# Altium PCB PCB.PcbDoc (part 10 of 10)
Units mm, origin at the board's own origin, x right, y up, seen from the top; angles counter-clockwise.
Board outline 25 x 25 mm, 10 copper layers (Top Layer, bu3, bu2, bu1, Core1, Core1b, bu1b, bu2b, bu3b, Bottom Layer), stack 1.2 mm thick; 43 components, 310 nets, 1945 pads, 12307 vias.
Unrouted connection lines stored in the file: 68.
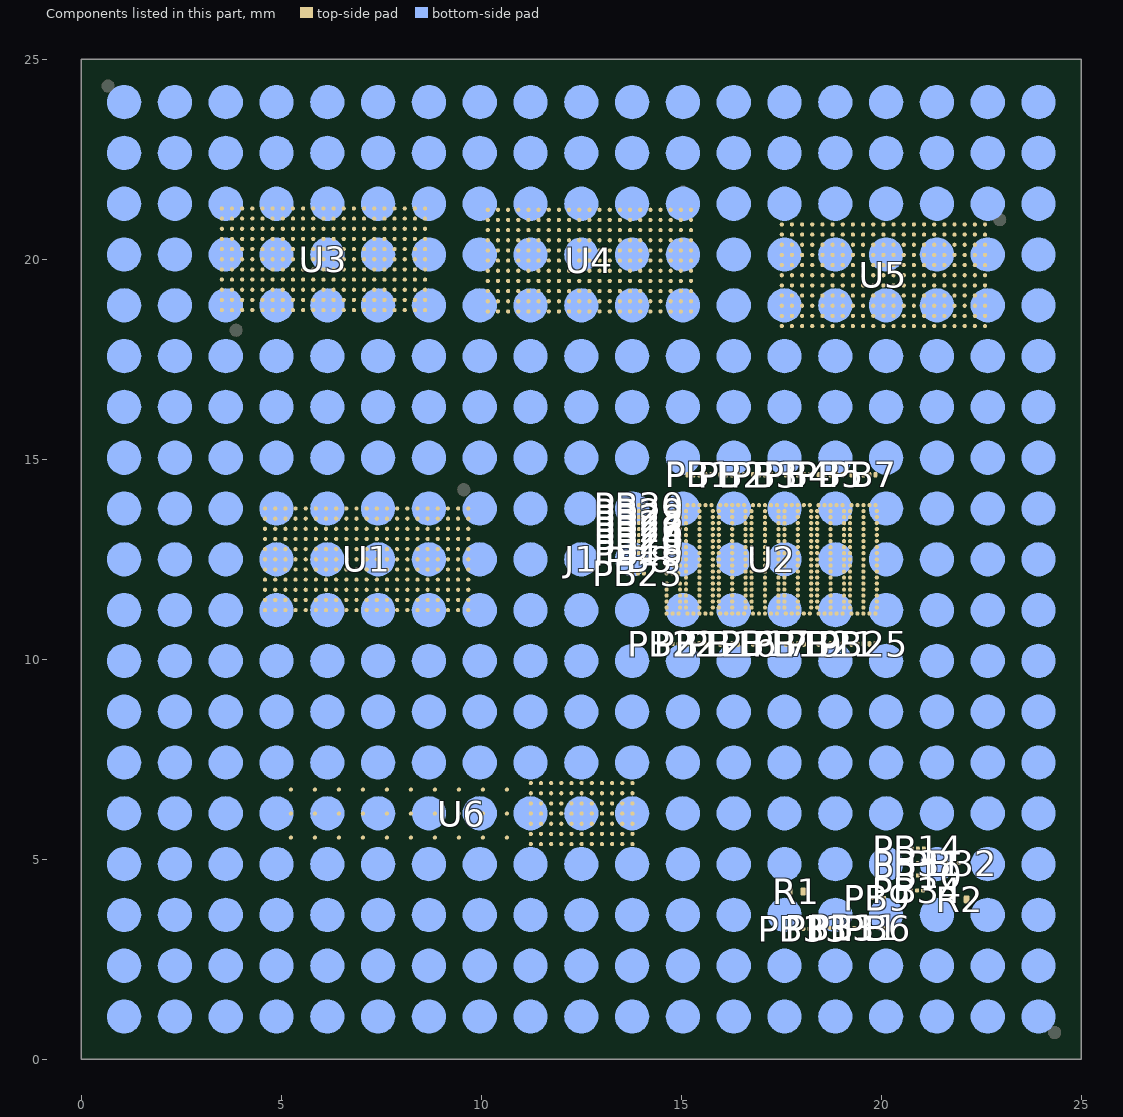
[diagram p18: the components of this part, seen from the top]

## Other copper (continued)
bu3:
  pour cut-out: 13.869,12.214 13.869,12.437 14.839,12.437 14.839,12.214
  pour cut-out: 11.345,13.58 11.345,13.73 11.495,13.73 11.495,13.58
  pour cut-out: 20.783,4.123 20.783,4.325 21.863,4.325 21.863,4.123
  pour cut-out: 20.799,4.495 20.799,4.697 21.879,4.697 21.879,4.495
  pour cut-out: 20.796,4.801 20.796,5.003 21.876,5.003 21.876,4.801
  pour cut-out: 20.798,5.169 20.798,5.371 21.878,5.371 21.878,5.169
  pour cut-out: 12.868,10.131 12.868,10.281 13.018,10.281 13.018,10.131
  pour cut-out: 22.438,24.224 22.438,24.374 22.588,24.374 22.588,24.224
  pour cut-out: 20.638,24.224 20.638,24.374 20.788,24.374 20.788,24.224
  pour cut-out: 21.238,24.224 21.238,24.374 21.388,24.374 21.388,24.224
  pour cut-out: 21.838,24.224 21.838,24.374 21.988,24.374 21.988,24.224
  pour cut-out: 3.238,24.224 3.238,24.374 3.388,24.374 3.388,24.224
  pour cut-out: 2.038,24.224 2.038,24.374 2.188,24.374 2.188,24.224
  pour cut-out: 2.638,24.224 2.638,24.374 2.788,24.374 2.788,24.224
  pour cut-out: 5.638,24.224 5.638,24.374 5.788,24.374 5.788,24.224
  pour cut-out: 3.838,24.224 3.838,24.374 3.988,24.374 3.988,24.224
  pour cut-out: 4.438,24.224 4.438,24.374 4.588,24.374 4.588,24.224
  pour cut-out: 5.038,24.224 5.038,24.374 5.188,24.374 5.188,24.224
  pour cut-out: 8.038,24.224 8.038,24.374 8.188,24.374 8.188,24.224
  pour cut-out: 6.238,24.224 6.238,24.374 6.388,24.374 6.388,24.224
  pour cut-out: 6.838,24.224 6.838,24.374 6.988,24.374 6.988,24.224
  pour cut-out: 7.438,24.224 7.438,24.374 7.588,24.374 7.588,24.224
  pour cut-out: 10.438,24.224 10.438,24.374 10.588,24.374 10.588,24.224
  pour cut-out: 8.638,24.224 8.638,24.374 8.788,24.374 8.788,24.224
  pour cut-out: 9.238,24.224 9.238,24.374 9.388,24.374 9.388,24.224
  pour cut-out: 9.838,24.224 9.838,24.374 9.988,24.374 9.988,24.224
  pour cut-out: 12.838,24.224 12.838,24.374 12.988,24.374 12.988,24.224
  pour cut-out: 11.038,24.224 11.038,24.374 11.188,24.374 11.188,24.224
  pour cut-out: 11.638,24.224 11.638,24.374 11.788,24.374 11.788,24.224
  pour cut-out: 12.238,24.224 12.238,24.374 12.388,24.374 12.388,24.224
  pour cut-out: 15.238,24.224 15.238,24.374 15.388,24.374 15.388,24.224
  pour cut-out: 13.438,24.224 13.438,24.374 13.588,24.374 13.588,24.224
  pour cut-out: 14.038,24.224 14.038,24.374 14.188,24.374 14.188,24.224
  pour cut-out: 14.638,24.224 14.638,24.374 14.788,24.374 14.788,24.224
  pour cut-out: 17.638,24.224 17.638,24.374 17.788,24.374 17.788,24.224
  pour cut-out: 15.838,24.224 15.838,24.374 15.988,24.374 15.988,24.224
  pour cut-out: 16.438,24.224 16.438,24.374 16.588,24.374 16.588,24.224
  pour cut-out: 17.038,24.224 17.038,24.374 17.188,24.374 17.188,24.224
  pour cut-out: 20.038,24.224 20.038,24.374 20.188,24.374 20.188,24.224
  pour cut-out: 18.238,24.224 18.238,24.374 18.388,24.374 18.388,24.224
  pour cut-out: 18.838,24.224 18.838,24.374 18.988,24.374 18.988,24.224
  pour cut-out: 19.438,24.224 19.438,24.374 19.588,24.374 19.588,24.224
  pour cut-out: 23.038,24.224 23.038,24.374 23.188,24.374 23.188,24.224
  pour cut-out: 23.638,24.224 23.638,24.374 23.788,24.374 23.788,24.224
  pour cut-out: 1.667,23.352 1.667,23.502 1.817,23.502 1.817,23.352
  pour cut-out: 0.838,23.624 0.838,23.774 0.988,23.774 0.988,23.624
  pour cut-out: 5.33,23.584 5.33,23.734 5.48,23.734 5.48,23.584
  pour cut-out: 6.235,23.389 6.235,23.539 6.385,23.539 6.385,23.389
  pour cut-out: 12.838,23.624 12.838,23.774 12.988,23.774 12.988,23.624
  pour cut-out: 13.438,23.624 13.438,23.774 13.588,23.774 13.588,23.624
  pour cut-out: 14.038,23.624 14.038,23.774 14.188,23.774 14.188,23.624
  pour cut-out: 14.638,23.624 14.638,23.774 14.788,23.774 14.788,23.624
  pour cut-out: 17.038,23.624 17.038,23.774 17.188,23.774 17.188,23.624
  pour cut-out: 18.238,23.624 18.238,23.774 18.388,23.774 18.388,23.624
  pour cut-out: 19.438,23.624 19.438,23.774 19.588,23.774 19.588,23.624
  pour cut-out: 20.638,23.624 20.638,23.774 20.788,23.774 20.788,23.624
  pour cut-out: 21.838,23.624 21.838,23.774 21.988,23.774 21.988,23.624
  pour cut-out: 23.638,23.624 23.638,23.774 23.788,23.774 23.788,23.624
  pour cut-out: 6.87,22.881 6.87,23.031 7.02,23.031 7.02,22.881
  pour cut-out: 22.847,23.125 22.847,23.275 22.997,23.275 22.997,23.125
  pour cut-out: 24.238,23.024 24.238,23.174 24.388,23.174 24.388,23.024
  pour cut-out: 12.238,23.024 12.238,23.174 12.388,23.174 12.388,23.024
  pour cut-out: 9.756,22.709 9.756,22.859 9.906,22.859 9.906,22.709
  pour cut-out: 11.543,22.851 11.543,23.001 11.693,23.001 11.693,22.851
  pour cut-out: 12.838,23.024 12.838,23.174 12.988,23.174 12.988,23.024
  pour cut-out: 13.438,23.024 13.438,23.174 13.588,23.174 13.588,23.024
  pour cut-out: 14.638,23.024 14.638,23.174 14.788,23.174 14.788,23.024
  pour cut-out: 15.238,23.024 15.238,23.174 15.388,23.174 15.388,23.024
  pour cut-out: 19.942,22.607 19.942,22.757 20.092,22.757 20.092,22.607
  pour cut-out: 20.624,22.732 20.624,22.882 20.774,22.882 20.774,22.732
  pour cut-out: 21.28,22.652 21.28,22.802 21.43,22.802 21.43,22.652
  pour cut-out: 0.838,22.424 0.838,22.574 0.988,22.574 0.988,22.424
  pour cut-out: 4.612,22.701 4.612,22.851 4.762,22.851 4.762,22.701
  pour cut-out: 3.483,22.619 3.483,22.769 3.633,22.769 3.633,22.619
  pour cut-out: 5.652,22.739 5.652,22.889 5.802,22.889 5.802,22.739
  pour cut-out: 3.267,23.375 3.267,23.525 3.417,23.525 3.417,23.375
  pour cut-out: 22.305,22.553 22.305,22.703 22.455,22.703 22.455,22.553
  pour cut-out: 23.638,22.424 23.638,22.574 23.788,22.574 23.788,22.424
  pour cut-out: 0.838,21.824 0.838,21.974 0.988,21.974 0.988,21.824
  pour cut-out: 15.238,21.824 15.238,21.974 15.388,21.974 15.388,21.824
  pour cut-out: 19.488,21.605 19.488,21.755 19.638,21.755 19.638,21.605
  pour cut-out: 17.688,21.605 17.688,21.755 17.838,21.755 17.838,21.605
  pour cut-out: 18.288,21.605 18.288,21.755 18.438,21.755 18.438,21.605
  pour cut-out: 18.888,21.605 18.888,21.755 19.038,21.755 19.038,21.605
  pour cut-out: 20.088,21.605 20.088,21.755 20.238,21.755 20.238,21.605
  pour cut-out: 20.688,21.605 20.688,21.755 20.838,21.755 20.838,21.605
  pour cut-out: 21.288,21.605 21.288,21.755 21.438,21.755 21.438,21.605
  pour cut-out: 21.888,21.605 21.888,21.755 22.038,21.755 22.038,21.605
  pour cut-out: 22.488,21.605 22.488,21.755 22.638,21.755 22.638,21.605
  pour cut-out: 23.33,21.896 23.33,22.046 23.48,22.046 23.48,21.896
  pour cut-out: 24.238,21.824 24.238,21.974 24.388,21.974 24.388,21.824
  pour cut-out: 0.838,21.224 0.838,21.374 0.988,21.374 0.988,21.224
  pour cut-out: 2.347,21.214 2.347,21.364 2.497,21.364 2.497,21.214
  pour cut-out: 0.838,20.624 0.838,20.774 0.988,20.774 0.988,20.624
  pour cut-out: 16.31,21.324 16.31,21.474 16.46,21.474 16.46,21.324
  pour cut-out: 24.238,20.624 24.238,20.774 24.388,20.774 24.388,20.624
  pour cut-out: 0.838,20.024 0.838,20.174 0.988,20.174 0.988,20.024
  pour cut-out: 0.838,19.424 0.838,19.574 0.988,19.574 0.988,19.424
  pour cut-out: 23.564,19.784 23.564,19.934 23.714,19.934 23.714,19.784
  pour cut-out: 24.238,19.424 24.238,19.574 24.388,19.574 24.388,19.424
  pour cut-out: 0.838,18.824 0.838,18.974 0.988,18.974 0.988,18.824
  pour cut-out: 22.951,19 22.951,19.15 23.101,19.15 23.101,19
  pour cut-out: 0.838,18.224 0.838,18.374 0.988,18.374 0.988,18.224
  pour cut-out: 1.958,18.455 1.958,18.605 2.108,18.605 2.108,18.455
  pour cut-out: 9.995,18.283 9.995,18.433 10.145,18.433 10.145,18.283
  pour cut-out: 24.238,18.224 24.238,18.374 24.388,18.374 24.388,18.224
  pour cut-out: 0.838,17.624 0.838,17.774 0.988,17.774 0.988,17.624
  pour cut-out: 3.012,17.61 3.012,17.76 3.162,17.76 3.162,17.61
  pour cut-out: 5.644,17.715 5.644,17.865 5.794,17.865 5.794,17.715
  pour cut-out: 6.579,17.7 6.579,17.85 6.729,17.85 6.729,17.7
  pour cut-out: 0.838,17.024 0.838,17.174 0.988,17.174 0.988,17.024
  pour cut-out: 1.438,17.024 1.438,17.174 1.588,17.174 1.588,17.024
  pour cut-out: 6.265,17.176 6.265,17.326 6.415,17.326 6.415,17.176
  pour cut-out: 24.238,17.024 24.238,17.174 24.388,17.174 24.388,17.024
  pour cut-out: 0.838,16.424 0.838,16.574 0.988,16.574 0.988,16.424
  pour cut-out: 2.038,16.424 2.038,16.574 2.188,16.574 2.188,16.424
  pour cut-out: 14.638,16.424 14.638,16.574 14.788,16.574 14.788,16.424
  pour cut-out: 16.438,16.424 16.438,16.574 16.588,16.574 16.588,16.424
  pour cut-out: 17.715,17.993 17.715,18.143 17.865,18.143 17.865,17.993
  pour cut-out: 0.838,15.224 0.838,15.374 0.988,15.374 0.988,15.224
  pour cut-out: 1.438,15.224 1.438,15.374 1.588,15.374 1.588,15.224
  pour cut-out: 12.838,15.224 12.838,15.374 12.988,15.374 12.988,15.224
  pour cut-out: 17.787,15.409 17.787,15.559 17.937,15.559 17.937,15.409
  pour cut-out: 18.838,15.224 18.838,15.374 18.988,15.374 18.988,15.224
  pour cut-out: 22.374,17.407 22.374,17.557 22.524,17.557 22.524,17.407
  pour cut-out: 0.838,15.824 0.838,15.974 0.988,15.974 0.988,15.824
  pour cut-out: 1.438,15.824 1.438,15.974 1.588,15.974 1.588,15.824
  pour cut-out: 2.038,15.824 2.038,15.974 2.188,15.974 2.188,15.824
  pour cut-out: 9.434,17.057 9.434,17.207 9.584,17.207 9.584,17.057
  pour cut-out: 11.299,16.483 11.299,16.633 11.449,16.633 11.449,16.483
  pour cut-out: 16.331,18.902 16.331,19.052 16.481,19.052 16.481,18.902
  pour cut-out: 20.425,15.638 20.425,15.788 20.575,15.788 20.575,15.638
  pour cut-out: 21.13,16.106 21.13,16.256 21.28,16.256 21.28,16.106
  pour cut-out: 24.238,15.824 24.238,15.974 24.388,15.974 24.388,15.824
  pour cut-out: 24.238,15.224 24.238,15.374 24.388,15.374 24.388,15.224
  pour cut-out: 0.838,14.624 0.838,14.774 0.988,14.774 0.988,14.624
  pour cut-out: 3.401,14.881 3.401,15.031 3.551,15.031 3.551,14.881
  pour cut-out: 13.867,14.439 13.867,14.589 14.017,14.589 14.017,14.439
  pour cut-out: 20.142,17.919 20.142,18.069 20.292,18.069 20.292,17.919
  pour cut-out: 24.238,14.624 24.238,14.774 24.388,14.774 24.388,14.624
  pour cut-out: 2.78,14.024 2.78,14.174 2.93,14.174 2.93,14.024
  pour cut-out: 0.838,14.024 0.838,14.174 0.988,14.174 0.988,14.024
  pour cut-out: 24.238,14.024 24.238,14.174 24.388,14.174 24.388,14.024
  pour cut-out: 0.838,13.424 0.838,13.574 0.988,13.574 0.988,13.424
  pour cut-out: 13.401,13.265 13.401,13.415 13.551,13.415 13.551,13.265
  pour cut-out: 20.138,13.758 20.138,13.908 20.288,13.908 20.288,13.758
  pour cut-out: 21.319,17.956 21.319,18.106 21.469,18.106 21.469,17.956
  pour cut-out: 24.238,13.424 24.238,13.574 24.388,13.574 24.388,13.424
  pour cut-out: 20.114,12.786 20.114,12.936 20.264,12.936 20.264,12.786
  pour cut-out: 21.323,12.692 21.323,12.842 21.473,12.842 21.473,12.692
  pour cut-out: 2.78,12.824 2.78,12.974 2.93,12.974 2.93,12.824
  pour cut-out: 0.838,12.824 0.838,12.974 0.988,12.974 0.988,12.824
  pour cut-out: 10.237,12.97 10.237,13.12 10.387,13.12 10.387,12.97
  pour cut-out: 13.401,12.665 13.401,12.815 13.551,12.815 13.551,12.665
  pour cut-out: 24.238,12.824 24.238,12.974 24.388,12.974 24.388,12.824
  pour cut-out: 0.838,12.224 0.838,12.374 0.988,12.374 0.988,12.224
  pour cut-out: 13.401,12.065 13.401,12.215 13.551,12.215 13.551,12.065
  pour cut-out: 2.788,11.599 2.788,11.749 2.938,11.749 2.938,11.599
  pour cut-out: 0.838,11.624 0.838,11.774 0.988,11.774 0.988,11.624
  pour cut-out: 13.401,11.465 13.401,11.615 13.551,11.615 13.551,11.465
  pour cut-out: 14.116,11.459 14.116,11.609 14.266,11.609 14.266,11.459
  pour cut-out: 24.238,11.624 24.238,11.774 24.388,11.774 24.388,11.624
  pour cut-out: 0.838,11.024 0.838,11.174 0.988,11.174 0.988,11.024
  pour cut-out: 13.401,10.865 13.401,11.015 13.551,11.015 13.551,10.865
  pour cut-out: 24.238,11.024 24.238,11.174 24.388,11.174 24.388,11.024
  pour cut-out: 20.095,10.414 20.095,10.564 20.245,10.564 20.245,10.414
  pour cut-out: 0.838,10.424 0.838,10.574 0.988,10.574 0.988,10.424
  pour cut-out: 4.126,10.171 4.126,10.321 4.276,10.321 4.276,10.171
  pour cut-out: 24.238,10.424 24.238,10.574 24.388,10.574 24.388,10.424
  pour cut-out: 0.838,9.824 0.838,9.974 0.988,9.974 0.988,9.824
  pour cut-out: 21.83,8.928 21.83,9.078 21.98,9.078 21.98,8.928
  pour cut-out: 0.838,9.224 0.838,9.374 0.988,9.374 0.988,9.224
  pour cut-out: 21.966,7.849 21.966,7.999 22.116,7.999 22.116,7.849
  pour cut-out: 20.013,7.925 20.013,8.075 20.163,8.075 20.163,7.925
  pour cut-out: 19.483,7.065 19.483,7.215 19.633,7.215 19.633,7.065
  pour cut-out: 2.638,8.024 2.638,8.174 2.788,8.174 2.788,8.024
  pour cut-out: 0.838,8.024 0.838,8.174 0.988,8.174 0.988,8.024
  pour cut-out: 3.838,8.024 3.838,8.174 3.988,8.174 3.988,8.024
  pour cut-out: 6.838,8.024 6.838,8.174 6.988,8.174 6.988,8.024
  pour cut-out: 15.377,8.298 15.377,8.448 15.527,8.448 15.527,8.298
  pour cut-out: 14.777,8.298 14.777,8.448 14.927,8.448 14.927,8.298
  pour cut-out: 17.777,8.298 17.777,8.448 17.927,8.448 17.927,8.298
  pour cut-out: 15.977,8.298 15.977,8.448 16.127,8.448 16.127,8.298
  pour cut-out: 16.577,8.298 16.577,8.448 16.727,8.448 16.727,8.298
  pour cut-out: 17.177,8.298 17.177,8.448 17.327,8.448 17.327,8.298
  pour cut-out: 18.258,7.067 18.258,7.217 18.408,7.217 18.408,7.067
  pour cut-out: 24.238,9.224 24.238,9.374 24.388,9.374 24.388,9.224
  pour cut-out: 0.838,8.624 0.838,8.774 0.988,8.774 0.988,8.624
  pour cut-out: 4.438,8.624 4.438,8.774 4.588,8.774 4.588,8.624
  pour cut-out: 8.038,8.624 8.038,8.774 8.188,8.774 8.188,8.624
  pour cut-out: 24.238,8.624 24.238,8.774 24.388,8.774 24.388,8.624
  pour cut-out: 24.238,8.024 24.238,8.174 24.388,8.174 24.388,8.024
  pour cut-out: 0.838,7.424 0.838,7.574 0.988,7.574 0.988,7.424
  pour cut-out: 3.838,7.424 3.838,7.574 3.988,7.574 3.988,7.424
  pour cut-out: 8.984,7.5 8.984,7.65 9.134,7.65 9.134,7.5
  pour cut-out: 10.523,7.534 10.523,7.684 10.673,7.684 10.673,7.534
  pour cut-out: 16.094,7.043 16.094,7.193 16.244,7.193 16.244,7.043
  pour cut-out: 21.238,7.424 21.238,7.574 21.388,7.574 21.388,7.424
  pour cut-out: 24.238,7.424 24.238,7.574 24.388,7.574 24.388,7.424
  pour cut-out: 22.003,6.969 22.003,7.119 22.153,7.119 22.153,6.969
  pour cut-out: 2.638,6.824 2.638,6.974 2.788,6.974 2.788,6.824
  pour cut-out: 0.838,6.824 0.838,6.974 0.988,6.974 0.988,6.824
  pour cut-out: 3.838,6.824 3.838,6.974 3.988,6.974 3.988,6.824
  pour cut-out: 6.838,6.824 6.838,6.974 6.988,6.974 6.988,6.824
  pour cut-out: 8.038,6.824 8.038,6.974 8.188,6.974 8.188,6.824
  pour cut-out: 10.523,6.934 10.523,7.084 10.673,7.084 10.673,6.934
  pour cut-out: 24.238,6.824 24.238,6.974 24.388,6.974 24.388,6.824
  pour cut-out: 0.838,6.224 0.838,6.374 0.988,6.374 0.988,6.224
  pour cut-out: 5.499,6.134 5.499,6.284 5.649,6.284 5.649,6.134
  pour cut-out: 5.384,4.826 5.384,4.976 5.534,4.976 5.534,4.826
  pour cut-out: 8.984,6.3 8.984,6.45 9.134,6.45 9.134,6.3
  pour cut-out: 21.238,6.224 21.238,6.374 21.388,6.374 21.388,6.224
  pour cut-out: 21.924,6.419 21.924,6.569 22.074,6.569 22.074,6.419
  pour cut-out: 20.038,5.624 20.038,5.774 20.188,5.774 20.188,5.624
  pour cut-out: 20.638,5.624 20.638,5.774 20.788,5.774 20.788,5.624
  pour cut-out: 2.638,5.624 2.638,5.774 2.788,5.774 2.788,5.624
  pour cut-out: 0.838,5.624 0.838,5.774 0.988,5.774 0.988,5.624
  pour cut-out: 3.838,5.624 3.838,5.774 3.988,5.774 3.988,5.624
  pour cut-out: 8.038,5.624 8.038,5.774 8.188,5.774 8.188,5.624
  pour cut-out: 14.845,5.372 14.845,5.522 14.995,5.522 14.995,5.372
  pour cut-out: 16.438,5.624 16.438,5.774 16.588,5.774 16.588,5.624
  pour cut-out: 19.438,5.624 19.438,5.774 19.588,5.774 19.588,5.624
  pour cut-out: 17.638,5.624 17.638,5.774 17.788,5.774 17.788,5.624
  pour cut-out: 24.238,5.624 24.238,5.774 24.388,5.774 24.388,5.624
  pour cut-out: 0.838,5.024 0.838,5.174 0.988,5.174 0.988,5.024
  pour cut-out: 3.838,5.024 3.838,5.174 3.988,5.174 3.988,5.024
  pour cut-out: 6.838,5.024 6.838,5.174 6.988,5.174 6.988,5.024
  pour cut-out: 9.838,5.024 9.838,5.174 9.988,5.174 9.988,5.024
  pour cut-out: 17.038,5.024 17.038,5.174 17.188,5.174 17.188,5.024
  pour cut-out: 15.955,5.021 15.955,5.171 16.105,5.171 16.105,5.021
  pour cut-out: 18.238,5.024 18.238,5.174 18.388,5.174 18.388,5.024
  pour cut-out: 20.038,5.024 20.038,5.174 20.188,5.174 20.188,5.024
  pour cut-out: 20.038,4.424 20.038,4.574 20.188,4.574 20.188,4.424
  pour cut-out: 2.638,4.424 2.638,4.574 2.788,4.574 2.788,4.424
  pour cut-out: 0.838,4.424 0.838,4.574 0.988,4.574 0.988,4.424
  pour cut-out: 3.838,4.424 3.838,4.574 3.988,4.574 3.988,4.424
  pour cut-out: 23.426,4.486 23.426,4.636 23.576,4.636 23.576,4.486
  pour cut-out: 0.838,3.824 0.838,3.974 0.988,3.974 0.988,3.824
  pour cut-out: 3.838,3.824 3.838,3.974 3.988,3.974 3.988,3.824
  pour cut-out: 9.824,3.881 9.824,4.031 9.974,4.031 9.974,3.881
  pour cut-out: 17.048,3.667 17.048,3.817 17.198,3.817 17.198,3.667
  pour cut-out: 23.497,2.872 23.497,3.022 23.647,3.022 23.647,2.872
  pour cut-out: 20.723,3.262 20.723,3.412 20.873,3.412 20.873,3.262
  pour cut-out: 2.927,2.875 2.927,3.025 3.077,3.025 3.077,2.875
  pour cut-out: 0.838,3.224 0.838,3.374 0.988,3.374 0.988,3.224
  pour cut-out: 5.038,3.224 5.038,3.374 5.188,3.374 5.188,3.224
  pour cut-out: 3.838,3.224 3.838,3.374 3.988,3.374 3.988,3.224
  pour cut-out: 8.038,3.224 8.038,3.374 8.188,3.374 8.188,3.224
  pour cut-out: 14.442,3.256 14.442,3.406 14.592,3.406 14.592,3.256
  pour cut-out: 13.518,3.49 13.518,3.64 13.668,3.64 13.668,3.49
  pour cut-out: 0.838,2.624 0.838,2.774 0.988,2.774 0.988,2.624
  pour cut-out: 5.038,2.624 5.038,2.774 5.188,2.774 5.188,2.624
  pour cut-out: 3.838,2.624 3.838,2.774 3.988,2.774 3.988,2.624
  pour cut-out: 8.648,2.158 8.648,2.308 8.798,2.308 8.798,2.158
  pour cut-out: 19.198,2.685 19.198,2.835 19.348,2.835 19.348,2.685
  pour cut-out: 18.343,2.584 18.343,2.734 18.493,2.734 18.493,2.584
  pour cut-out: 20.705,2.778 20.705,2.928 20.855,2.928 20.855,2.778
  pour cut-out: 21.908,2.788 21.908,2.938 22.058,2.938 22.058,2.788
  pour cut-out: 0.838,2.024 0.838,2.174 0.988,2.174 0.988,2.024
  pour cut-out: 2.038,2.024 2.038,2.174 2.188,2.174 2.188,2.024
  pour cut-out: 3.838,2.024 3.838,2.174 3.988,2.174 3.988,2.024
  pour cut-out: 7.438,2.024 7.438,2.174 7.588,2.174 7.588,2.024
  pour cut-out: 6.838,2.024 6.838,2.174 6.988,2.174 6.988,2.024
  pour cut-out: 10.512,2.126 10.512,2.276 10.662,2.276 10.662,2.126
  pour cut-out: 14.313,2.237 14.313,2.387 14.463,2.387 14.463,2.237
  pour cut-out: 13.45,2.211 13.45,2.361 13.6,2.361 13.6,2.211
  pour cut-out: 0.838,1.424 0.838,1.574 0.988,1.574 0.988,1.424
  pour cut-out: 4.917,1.447 4.917,1.597 5.067,1.597 5.067,1.447
  pour cut-out: 7.455,1.563 7.455,1.713 7.605,1.713 7.605,1.563
  pour cut-out: 5.638,1.424 5.638,1.574 5.788,1.574 5.788,1.424
  pour cut-out: 23.638,1.424 23.638,1.574 23.788,1.574 23.788,1.424
  pour cut-out: 19.741,0.765 19.741,0.915 19.891,0.915 19.891,0.765
  pour cut-out: 20.984,0.891 20.984,1.041 21.134,1.041 21.134,0.891
  pour cut-out: 0.838,0.824 0.838,0.974 0.988,0.974 0.988,0.824
  pour cut-out: 2.038,0.824 2.038,0.974 2.188,0.974 2.188,0.824
  pour cut-out: 3.238,0.824 3.238,0.974 3.388,0.974 3.388,0.824
  pour cut-out: 4.438,0.824 4.438,0.974 4.588,0.974 4.588,0.824
  pour cut-out: 7.438,0.824 7.438,0.974 7.588,0.974 7.588,0.824
  pour cut-out: 5.638,0.824 5.638,0.974 5.788,0.974 5.788,0.824
  pour cut-out: 6.838,0.824 6.838,0.974 6.988,0.974 6.988,0.824
  pour cut-out: 9.838,0.824 9.838,0.974 9.988,0.974 9.988,0.824
  pour cut-out: 8.038,0.824 8.038,0.974 8.188,0.974 8.188,0.824
  pour cut-out: 8.638,0.824 8.638,0.974 8.788,0.974 8.788,0.824
  pour cut-out: 9.238,0.824 9.238,0.974 9.388,0.974 9.388,0.824
  pour cut-out: 12.238,0.824 12.238,0.974 12.388,0.974 12.388,0.824
  pour cut-out: 10.438,0.824 10.438,0.974 10.588,0.974 10.588,0.824
  pour cut-out: 11.038,0.824 11.038,0.974 11.188,0.974 11.188,0.824
  pour cut-out: 14.638,0.824 14.638,0.974 14.788,0.974 14.788,0.824
  pour cut-out: 13.438,0.824 13.438,0.974 13.588,0.974 13.588,0.824
  pour cut-out: 17.038,0.824 17.038,0.974 17.188,0.974 17.188,0.824
  pour cut-out: 15.838,0.824 15.838,0.974 15.988,0.974 15.988,0.824
  pour cut-out: 24.238,0.824 24.238,0.974 24.388,0.974 24.388,0.824
  pour cut-out: 22.248,0.992 22.248,1.142 22.398,1.142 22.398,0.992
Core1:
  drawing of 615 lines, arcs and shapes, not listed
Core1b:
  drawing of 1002 lines, arcs and shapes, not listed
bu3b:
  drawing of 1186 lines, arcs and shapes, not listed
bu2:
  region net VDD: 11.846,6.204 12.163,6.204 12.328,6.039 12.328,5.905 12.569,5.664 12.569,5.603 12.533,5.567 12.357,5.567 11.816,6.108 11.816,6.175 11.83,6.189
  region net HVDD: 12.829,6.189 13.092,6.452 13.348,6.452 13.475,6.325 13.475,5.563 13.444,5.532 12.897,5.532 12.788,5.641 12.788,5.687 12.918,5.817 12.918,5.975 12.827,6.066
  pour cut-out: 2.606,5.328 2.606,5.478 2.756,5.478 2.756,5.328
  pour cut-out: 2.58,6.499 2.58,6.649 2.73,6.649 2.73,6.499
  pour cut-out: 21.574,21.564 21.574,21.714 21.724,21.714 21.724,21.564
  pour cut-out: 19.774,21.564 19.774,21.714 19.924,21.714 19.924,21.564
  pour cut-out: 20.374,21.564 20.374,21.714 20.524,21.714 20.524,21.564
  pour cut-out: 7.802,22.246 7.802,22.396 7.952,22.396 7.952,22.246
  pour cut-out: 17.974,21.564 17.974,21.714 18.124,21.714 18.124,21.564
  pour cut-out: 15.574,23.364 15.574,23.514 15.724,23.514 15.724,23.364
  pour cut-out: 20.374,23.364 20.374,23.514 20.524,23.514 20.524,23.364
  pour cut-out: 21.574,23.364 21.574,23.514 21.724,23.514 21.724,23.364
  pour cut-out: 22.774,23.364 22.774,23.514 22.924,23.514 22.924,23.364
  pour cut-out: 20.962,22.7 20.962,22.85 21.112,22.85 21.112,22.7
  pour cut-out: 23.286,22.626 23.286,22.776 23.436,22.776 23.436,22.626
  pour cut-out: 11.974,22.764 11.974,22.914 12.124,22.914 12.124,22.764
  pour cut-out: 14.374,22.764 14.374,22.914 14.524,22.914 14.524,22.764
  pour cut-out: 14.974,22.764 14.974,22.914 15.124,22.914 15.124,22.764
  pour cut-out: 2.043,18.163 2.043,18.313 2.193,18.313 2.193,18.163
  pour cut-out: 6.126,17.777 6.126,17.927 6.276,17.927 6.276,17.777
  pour cut-out: 1.174,16.764 1.174,16.914 1.324,16.914 1.324,16.764
  pour cut-out: 1.774,16.764 1.774,16.914 1.924,16.914 1.924,16.764
  pour cut-out: 1.774,16.164 1.774,16.314 1.924,16.314 1.924,16.164
  pour cut-out: 2.362,15.804 2.362,15.954 2.512,15.954 2.512,15.804
  pour cut-out: 1.174,15.564 1.174,15.714 1.324,15.714 1.324,15.564
  pour cut-out: 2.974,15.564 2.974,15.714 3.124,15.714 3.124,15.564
  pour cut-out: 1.174,14.964 1.174,15.114 1.324,15.114 1.324,14.964
  pour cut-out: 1.774,14.964 1.774,15.114 1.924,15.114 1.924,14.964
  pour cut-out: 22.774,14.964 22.774,15.114 22.924,15.114 22.924,14.964
  pour cut-out: 23.374,14.964 23.374,15.114 23.524,15.114 23.524,14.964
  pour cut-out: 2.374,14.364 2.374,14.514 2.524,14.514 2.524,14.364
  pour cut-out: 1.174,14.364 1.174,14.514 1.324,14.514 1.324,14.364
  pour cut-out: 1.774,14.364 1.774,14.514 1.924,14.514 1.924,14.364
  pour cut-out: 11.974,14.364 11.974,14.514 12.124,14.514 12.124,14.364
  pour cut-out: 12.574,14.364 12.574,14.514 12.724,14.514 12.724,14.364
  pour cut-out: 2.374,13.764 2.374,13.914 2.524,13.914 2.524,13.764
  pour cut-out: 1.174,13.764 1.174,13.914 1.324,13.914 1.324,13.764
  pour cut-out: 1.774,13.764 1.774,13.914 1.924,13.914 1.924,13.764
  pour cut-out: 2.974,13.764 2.974,13.914 3.124,13.914 3.124,13.764
  pour cut-out: 11.974,13.764 11.974,13.914 12.124,13.914 12.124,13.764
  pour cut-out: 11.374,13.764 11.374,13.914 11.524,13.914 11.524,13.764
  pour cut-out: 12.574,13.764 12.574,13.914 12.724,13.914 12.724,13.764
  pour cut-out: 20.374,13.764 20.374,13.914 20.524,13.914 20.524,13.764
  pour cut-out: 22.774,13.764 22.774,13.914 22.924,13.914 22.924,13.764
  pour cut-out: 23.374,13.764 23.374,13.914 23.524,13.914 23.524,13.764
  pour cut-out: 2.374,13.164 2.374,13.314 2.524,13.314 2.524,13.164
  pour cut-out: 1.174,13.164 1.174,13.314 1.324,13.314 1.324,13.164
  pour cut-out: 1.774,13.164 1.774,13.314 1.924,13.314 1.924,13.164
  pour cut-out: 2.974,13.164 2.974,13.314 3.124,13.314 3.124,13.164
  pour cut-out: 3.574,13.164 3.574,13.314 3.724,13.314 3.724,13.164
  pour cut-out: 11.974,13.164 11.974,13.314 12.124,13.314 12.124,13.164
  pour cut-out: 11.374,13.164 11.374,13.314 11.524,13.314 11.524,13.164
  pour cut-out: 12.574,13.164 12.574,13.314 12.724,13.314 12.724,13.164
  pour cut-out: 13.174,13.164 13.174,13.314 13.324,13.314 13.324,13.164
  pour cut-out: 2.374,12.564 2.374,12.714 2.524,12.714 2.524,12.564
  pour cut-out: 1.174,12.564 1.174,12.714 1.324,12.714 1.324,12.564
  pour cut-out: 1.774,12.564 1.774,12.714 1.924,12.714 1.924,12.564
  pour cut-out: 2.974,12.564 2.974,12.714 3.124,12.714 3.124,12.564
  pour cut-out: 3.574,12.564 3.574,12.714 3.724,12.714 3.724,12.564
  pour cut-out: 22.774,12.564 22.774,12.714 22.924,12.714 22.924,12.564
  pour cut-out: 23.374,12.564 23.374,12.714 23.524,12.714 23.524,12.564
  pour cut-out: 2.374,11.964 2.374,12.114 2.524,12.114 2.524,11.964
  pour cut-out: 1.174,11.964 1.174,12.114 1.324,12.114 1.324,11.964
  pour cut-out: 1.774,11.964 1.774,12.114 1.924,12.114 1.924,11.964
  pour cut-out: 2.974,11.964 2.974,12.114 3.124,12.114 3.124,11.964
  pour cut-out: 2.374,11.364 2.374,11.514 2.524,11.514 2.524,11.364
  pour cut-out: 1.174,11.364 1.174,11.514 1.324,11.514 1.324,11.364
  pour cut-out: 1.774,11.364 1.774,11.514 1.924,11.514 1.924,11.364
  pour cut-out: 14.374,11.364 14.374,11.514 14.524,11.514 14.524,11.364
  pour cut-out: 12.574,11.364 12.574,11.514 12.724,11.514 12.724,11.364
  pour cut-out: 13.174,11.364 13.174,11.514 13.324,11.514 13.324,11.364
  pour cut-out: 22.774,11.364 22.774,11.514 22.924,11.514 22.924,11.364
  pour cut-out: 23.374,11.364 23.374,11.514 23.524,11.514 23.524,11.364
  pour cut-out: 1.174,10.764 1.174,10.914 1.324,10.914 1.324,10.764
  pour cut-out: 1.774,10.764 1.774,10.914 1.924,10.914 1.924,10.764
  pour cut-out: 12.574,10.764 12.574,10.914 12.724,10.914 12.724,10.764
  pour cut-out: 13.174,10.764 13.174,10.914 13.324,10.914 13.324,10.764
  pour cut-out: 13.774,10.764 13.774,10.914 13.924,10.914 13.924,10.764
  pour cut-out: 1.174,10.164 1.174,10.314 1.324,10.314 1.324,10.164
  pour cut-out: 4.174,10.164 4.174,10.314 4.324,10.314 4.324,10.164
  pour cut-out: 22.174,10.164 22.174,10.314 22.324,10.314 22.324,10.164
  pour cut-out: 22.774,10.164 22.774,10.314 22.924,10.314 22.924,10.164
  pour cut-out: 23.374,10.164 23.374,10.314 23.524,10.314 23.524,10.164
  pour cut-out: 1.174,8.364 1.174,8.514 1.324,8.514 1.324,8.364
  pour cut-out: 1.174,7.764 1.174,7.914 1.324,7.914 1.324,7.764
  pour cut-out: 22.774,7.764 22.774,7.914 22.924,7.914 22.924,7.764
  pour cut-out: 23.374,7.764 23.374,7.914 23.524,7.914 23.524,7.764
  pour cut-out: 22.774,7.164 22.774,7.314 22.924,7.314 22.924,7.164
  pour cut-out: 23.374,7.164 23.374,7.314 23.524,7.314 23.524,7.164
  pour cut-out: 1.174,6.564 1.174,6.714 1.324,6.714 1.324,6.564
  pour cut-out: 14.656,5.972 14.656,6.122 14.806,6.122 14.806,5.972
  pour cut-out: 22.734,6.189 22.734,6.339 22.884,6.339 22.884,6.189
  pour cut-out: 1.174,5.364 1.174,5.514 1.324,5.514 1.324,5.364
  pour cut-out: 23.246,5.377 23.246,5.527 23.396,5.527 23.396,5.377
  pour cut-out: 1.174,4.164 1.174,4.314 1.324,4.314 1.324,4.164
  pour cut-out: 2.762,4.047 2.762,4.197 2.912,4.197 2.912,4.047
  pour cut-out: 23.182,4.103 23.182,4.253 23.332,4.253 23.332,4.103
  pour cut-out: 1.774,3.564 1.774,3.714 1.924,3.714 1.924,3.564
  pour cut-out: 16.193,3.374 16.193,3.524 16.343,3.524 16.343,3.374
  pour cut-out: 1.174,2.964 1.174,3.114 1.324,3.114 1.324,2.964
  pour cut-out: 1.774,2.964 1.774,3.114 1.924,3.114 1.924,2.964
  pour cut-out: 2.917,3.209 2.917,3.359 3.067,3.359 3.067,3.209
  pour cut-out: 8.826,1.955 8.826,2.105 8.976,2.105 8.976,1.955
  pour cut-out: 18.194,2.332 18.194,2.482 18.344,2.482 18.344,2.332
  pour cut-out: 22.045,2.348 22.045,2.498 22.195,2.498 22.195,2.348
  pour cut-out: 2.374,1.764 2.374,1.914 2.524,1.914 2.524,1.764
  pour cut-out: 1.174,1.764 1.174,1.914 1.324,1.914 1.324,1.764
  pour cut-out: 1.774,1.764 1.774,1.914 1.924,1.914 1.924,1.764
  pour cut-out: 2.974,1.764 2.974,1.914 3.124,1.914 3.124,1.764
  pour cut-out: 3.574,1.764 3.574,1.914 3.724,1.914 3.724,1.764
  pour cut-out: 7.174,1.764 7.174,1.914 7.324,1.914 7.324,1.764
  pour cut-out: 18.259,1.144 18.259,1.294 18.409,1.294 18.409,1.144
  pour cut-out: 19.467,1.298 19.467,1.448 19.617,1.448 19.617,1.298
  pour cut-out: 21.637,1.542 21.637,1.692 21.787,1.692 21.787,1.542
  pour cut-out: 22.604,1.655 22.604,1.805 22.754,1.805 22.754,1.655
  pour cut-out: 4.774,1.164 4.774,1.314 4.924,1.314 4.924,1.164
  pour cut-out: 2.374,1.164 2.374,1.314 2.524,1.314 2.524,1.164
  pour cut-out: 5.829,1.179 5.829,1.329 5.979,1.329 5.979,1.179
  pour cut-out: 15.574,1.164 15.574,1.314 15.724,1.314 15.724,1.164
bu2b:
  drawing of 1078 lines, arcs and shapes, not listed
bu1:
  pour cut-out: 21.799,7.935 21.799,8.085 21.949,8.085 21.949,7.935
  pour cut-out: 21.9,3.604 21.9,3.754 22.05,3.754 22.05,3.604
  pour cut-out: 22.13,5.096 22.13,5.246 22.28,5.246 22.28,5.096
  pour cut-out: 17.886,1.478 17.886,1.628 18.036,1.628 18.036,1.478
  pour cut-out: 16.653,1.478 16.653,1.628 16.803,1.628 16.803,1.478
  pour cut-out: 14.402,2.211 14.402,2.361 14.552,2.361 14.552,2.211
  pour cut-out: 16.867,2.202 16.867,2.352 17.017,2.352 17.017,2.202
  pour cut-out: 17.841,2.595 17.841,2.745 17.991,2.745 17.991,2.595
  pour cut-out: 18.69,2.568 18.69,2.718 18.84,2.718 18.84,2.568
  pour cut-out: 18.002,3.336 18.002,3.486 18.152,3.486 18.152,3.336
  pour cut-out: 16.733,3.336 16.733,3.486 16.883,3.486 16.883,3.336
  pour cut-out: 13.115,2.202 13.115,2.352 13.265,2.352 13.265,2.202
  pour cut-out: 10.408,2.121 10.408,2.271 10.558,2.271 10.558,2.121
  pour cut-out: 13.589,5.838 13.589,5.988 13.739,5.988 13.739,5.838
  pour cut-out: 14.178,11.118 14.178,11.268 14.328,11.268 14.328,11.118
  pour cut-out: 18.788,16.425 18.788,16.575 18.938,16.575 18.938,16.425
  pour cut-out: 11.319,21.152 11.319,21.302 11.469,21.302 11.469,21.152
  pour cut-out: 11.641,22.84 11.641,22.99 11.791,22.99 11.791,22.84
  pour cut-out: 10.578,22.447 10.578,22.597 10.728,22.597 10.728,22.447
  pour cut-out: 13.41,21.661 13.41,21.811 13.56,21.811 13.56,21.661
  pour cut-out: 12.856,21.187 12.856,21.337 13.006,21.337 13.006,21.187
  pour cut-out: 14.616,21.527 14.616,21.677 14.766,21.677 14.766,21.527
  pour cut-out: 16.269,22.126 16.269,22.276 16.419,22.276 16.419,22.126
  pour cut-out: 18.19,22.581 18.19,22.731 18.34,22.731 18.34,22.581
  pour cut-out: 18.118,23.537 18.118,23.687 18.268,23.687 18.268,23.537
  pour cut-out: 17.001,23.635 17.001,23.785 17.151,23.785 17.151,23.635
  pour cut-out: 15.09,23.153 15.09,23.303 15.24,23.303 15.24,23.153
  pour cut-out: 13.919,23.403 13.919,23.553 14.069,23.553 14.069,23.403
  pour cut-out: 13.169,23.546 13.169,23.696 13.319,23.696 13.319,23.546
  pour cut-out: 11.971,23.609 11.971,23.759 12.121,23.759 12.121,23.609
  pour cut-out: 10.613,23.68 10.613,23.83 10.763,23.83 10.763,23.68
  pour cut-out: 2.519,21.983 2.519,22.133 2.669,22.133 2.669,21.983
  pour cut-out: 3.224,22.572 3.224,22.722 3.374,22.722 3.374,22.572
  pour cut-out: 5.476,22.644 5.476,22.794 5.626,22.794 5.626,22.644
  pour cut-out: 5.824,21.455 5.824,21.605 5.974,21.605 5.974,21.455
  pour cut-out: 7.522,22.26 7.522,22.41 7.672,22.41 7.672,22.26
  pour cut-out: 8.683,23.162 8.683,23.312 8.833,23.312 8.833,23.162
  pour cut-out: 6.655,22.831 6.655,22.981 6.805,22.981 6.805,22.831
  pour cut-out: 5.664,23.662 5.664,23.812 5.814,23.812 5.814,23.662
  pour cut-out: 6.459,23.51 6.459,23.66 6.609,23.66 6.609,23.51
  pour cut-out: 4.154,23.394 4.154,23.544 4.304,23.544 4.304,23.394
  pour cut-out: 3.108,23.457 3.108,23.607 3.258,23.607 3.258,23.457
  pour cut-out: 1.634,23.466 1.634,23.616 1.784,23.616 1.784,23.466
  pour cut-out: 2.313,20.83 2.313,20.98 2.463,20.98 2.463,20.83
  pour cut-out: 6.253,17.515 6.253,17.665 6.403,17.665 6.403,17.515
  pour cut-out: 7.576,18.632 7.576,18.782 7.726,18.782 7.726,18.632
  pour cut-out: 4.136,11.681 4.136,11.831 4.286,11.831 4.286,11.681
  pour cut-out: 9.568,11.896 9.568,12.046 9.718,12.046 9.718,11.896
  pour cut-out: 19.432,23.62 19.432,23.77 19.582,23.77 19.582,23.62
  pour cut-out: 20.632,23.62 20.632,23.77 20.782,23.77 20.782,23.62
  pour cut-out: 22.432,23.62 22.432,23.77 22.582,23.77 22.582,23.62
  pour cut-out: 19.862,21.826 19.862,21.976 20.012,21.976 20.012,21.826
  pour cut-out: 20.835,21.867 20.835,22.017 20.985,22.017 20.985,21.867
  pour cut-out: 19.646,21.031 19.646,21.181 19.796,21.181 19.796,21.031
  pour cut-out: 1.965,18.561 1.965,18.711 2.115,18.711 2.115,18.561
  pour cut-out: 1.432,17.02 1.432,17.17 1.582,17.17 1.582,17.02
  pour cut-out: 7.302,16.983 7.302,17.133 7.452,17.133 7.452,16.983
  pour cut-out: 2.032,16.42 2.032,16.57 2.182,16.57 2.182,16.42
  pour cut-out: 2.71,15.58 2.71,15.73 2.86,15.73 2.86,15.58
  pour cut-out: 1.432,15.22 1.432,15.37 1.582,15.37 1.582,15.22
  pour cut-out: 23.632,15.22 23.632,15.37 23.782,15.37 23.782,15.22
  pour cut-out: 2.632,14.62 2.632,14.77 2.782,14.77 2.782,14.62
  pour cut-out: 1.432,14.62 1.432,14.77 1.582,14.77 1.582,14.62
  pour cut-out: 2.032,14.62 2.032,14.77 2.182,14.77 2.182,14.62
  pour cut-out: 3.6,14.648 3.6,14.798 3.75,14.798 3.75,14.648
  pour cut-out: 20.801,14.123 20.801,14.273 20.951,14.273 20.951,14.123
  pour cut-out: 22.432,14.62 22.432,14.77 22.582,14.77 22.582,14.62
  pour cut-out: 23.032,14.62 23.032,14.77 23.182,14.77 23.182,14.62
  pour cut-out: 2.632,14.02 2.632,14.17 2.782,14.17 2.782,14.02
  pour cut-out: 1.432,14.02 1.432,14.17 1.582,14.17 1.582,14.02
  pour cut-out: 2.032,14.02 2.032,14.17 2.182,14.17 2.182,14.02
  pour cut-out: 3.232,14.02 3.232,14.17 3.382,14.17 3.382,14.02
  pour cut-out: 23.632,14.02 23.632,14.17 23.782,14.17 23.782,14.02
  pour cut-out: 2.632,13.42 2.632,13.57 2.782,13.57 2.782,13.42
  pour cut-out: 1.432,13.42 1.432,13.57 1.582,13.57 1.582,13.42
  pour cut-out: 2.032,13.42 2.032,13.57 2.182,13.57 2.182,13.42
  pour cut-out: 3.232,13.42 3.232,13.57 3.382,13.57 3.382,13.42
  pour cut-out: 22.432,13.42 22.432,13.57 22.582,13.57 22.582,13.42
  pour cut-out: 23.032,13.42 23.032,13.57 23.182,13.57 23.182,13.42
  pour cut-out: 23.632,13.42 23.632,13.57 23.782,13.57 23.782,13.42
  pour cut-out: 2.632,12.82 2.632,12.97 2.782,12.97 2.782,12.82
  pour cut-out: 1.432,12.82 1.432,12.97 1.582,12.97 1.582,12.82
  pour cut-out: 2.032,12.82 2.032,12.97 2.182,12.97 2.182,12.82
  pour cut-out: 3.232,12.82 3.232,12.97 3.382,12.97 3.382,12.82
  pour cut-out: 9.684,12.521 9.684,12.671 9.834,12.671 9.834,12.521
  pour cut-out: 10.432,12.82 10.432,12.97 10.582,12.97 10.582,12.82
  pour cut-out: 22.432,12.82 22.432,12.97 22.582,12.97 22.582,12.82
  pour cut-out: 23.032,12.82 23.032,12.97 23.182,12.97 23.182,12.82
  pour cut-out: 23.632,12.82 23.632,12.97 23.782,12.97 23.782,12.82
  pour cut-out: 2.632,12.22 2.632,12.37 2.782,12.37 2.782,12.22
  pour cut-out: 1.432,12.22 1.432,12.37 1.582,12.37 1.582,12.22
  pour cut-out: 2.032,12.22 2.032,12.37 2.182,12.37 2.182,12.22
  pour cut-out: 3.232,12.22 3.232,12.37 3.382,12.37 3.382,12.22
  pour cut-out: 23.632,12.22 23.632,12.37 23.782,12.37 23.782,12.22
  pour cut-out: 2.632,6.82 2.632,6.97 2.782,6.97 2.782,6.82
  pour cut-out: 1.432,6.82 1.432,6.97 1.582,6.97 1.582,6.82
  pour cut-out: 2.632,11.62 2.632,11.77 2.782,11.77 2.782,11.62
  pour cut-out: 1.432,11.62 1.432,11.77 1.582,11.77 1.582,11.62
  pour cut-out: 2.032,11.62 2.032,11.77 2.182,11.77 2.182,11.62
  pour cut-out: 12.232,11.62 12.232,11.77 12.382,11.77 12.382,11.62
  pour cut-out: 10.432,11.62 10.432,11.77 10.582,11.77 10.582,11.62
  pour cut-out: 12.832,11.62 12.832,11.77 12.982,11.77 12.982,11.62
  pour cut-out: 13.432,11.62 13.432,11.77 13.582,11.77 13.582,11.62
  pour cut-out: 1.432,11.02 1.432,11.17 1.582,11.17 1.582,11.02
  pour cut-out: 2.032,11.02 2.032,11.17 2.182,11.17 2.182,11.02
  pour cut-out: 22.432,11.02 22.432,11.17 22.582,11.17 22.582,11.02
  pour cut-out: 23.032,11.02 23.032,11.17 23.182,11.17 23.182,11.02
  pour cut-out: 23.632,11.02 23.632,11.17 23.782,11.17 23.782,11.02
  pour cut-out: 1.432,10.42 1.432,10.57 1.582,10.57 1.582,10.42
  pour cut-out: 4.432,10.42 4.432,10.57 4.582,10.57 4.582,10.42
  pour cut-out: 7.486,10.583 7.486,10.733 7.636,10.733 7.636,10.583
  pour cut-out: 6.236,10.591 6.236,10.741 6.386,10.741 6.386,10.591
  pour cut-out: 22.432,10.42 22.432,10.57 22.582,10.57 22.582,10.42
  pour cut-out: 23.032,10.42 23.032,10.57 23.182,10.57 23.182,10.42
  pour cut-out: 5.673,9.966 5.673,10.116 5.823,10.116 5.823,9.966
  pour cut-out: 6.816,9.975 6.816,10.125 6.966,10.125 6.966,9.975
  pour cut-out: 8.022,9.939 8.022,10.089 8.172,10.089 8.172,9.939
  pour cut-out: 22.432,9.82 22.432,9.97 22.582,9.97 22.582,9.82
  pour cut-out: 23.032,9.82 23.032,9.97 23.182,9.97 23.182,9.82
  pour cut-out: 23.632,9.82 23.632,9.97 23.782,9.97 23.782,9.82
  pour cut-out: 2.478,8.969 2.478,9.119 2.628,9.119 2.628,8.969
  pour cut-out: 3.475,8.617 3.475,8.767 3.625,8.767 3.625,8.617
  pour cut-out: 22.432,8.62 22.432,8.77 22.582,8.77 22.582,8.62
  pour cut-out: 23.032,8.62 23.032,8.77 23.182,8.77 23.182,8.62
  pour cut-out: 23.632,8.62 23.632,8.77 23.782,8.77 23.782,8.62
  pour cut-out: 1.432,8.02 1.432,8.17 1.582,8.17 1.582,8.02
  pour cut-out: 22.432,7.42 22.432,7.57 22.582,7.57 22.582,7.42
  pour cut-out: 23.032,7.42 23.032,7.57 23.182,7.57 23.182,7.42
  pour cut-out: 23.632,7.42 23.632,7.57 23.782,7.57 23.782,7.42
  pour cut-out: 22.432,6.22 22.432,6.37 22.582,6.37 22.582,6.22
  pour cut-out: 23.032,6.22 23.032,6.37 23.182,6.37 23.182,6.22
  pour cut-out: 23.632,6.22 23.632,6.37 23.782,6.37 23.782,6.22
  pour cut-out: 1.432,5.62 1.432,5.77 1.582,5.77 1.582,5.62
  pour cut-out: 2.632,5.62 2.632,5.77 2.782,5.77 2.782,5.62
  pour cut-out: 3.841,5.124 3.841,5.274 3.991,5.274 3.991,5.124
  pour cut-out: 19.432,3.22 19.432,3.37 19.582,3.37 19.582,3.22
  pour cut-out: 20.114,2.465 20.114,2.615 20.264,2.615 20.264,2.465
  pour cut-out: 20.742,2.616 20.742,2.766 20.892,2.766 20.892,2.616
  pour cut-out: 23.632,2.62 23.632,2.77 23.782,2.77 23.782,2.62
  pour cut-out: 7.937,2.697 7.937,2.847 8.087,2.847 8.087,2.697
  pour cut-out: 9.255,2.702 9.255,2.852 9.405,2.852 9.405,2.702
  pour cut-out: 19.432,2.62 19.432,2.77 19.582,2.77 19.582,2.62
  pour cut-out: 1.432,4.42 1.432,4.57 1.582,4.57 1.582,4.42
  pour cut-out: 2.632,3.22 2.632,3.37 2.782,3.37 2.782,3.22
  pour cut-out: 3.232,3.22 3.232,3.37 3.382,3.37 3.382,3.22
  pour cut-out: 5.032,3.22 5.032,3.37 5.182,3.37 5.182,3.22
  pour cut-out: 2.632,3.82 2.632,3.97 2.782,3.97 2.782,3.82
  pour cut-out: 3.232,3.82 3.232,3.97 3.382,3.97 3.382,3.82
  pour cut-out: 3.166,2.545 3.166,2.695 3.316,2.695 3.316,2.545
  pour cut-out: 5.032,2.62 5.032,2.77 5.182,2.77 5.182,2.62
  pour cut-out: 20.632,1.42 20.632,1.57 20.782,1.57 20.782,1.42
  pour cut-out: 21.832,1.42 21.832,1.57 21.982,1.57 21.982,1.42
  pour cut-out: 22.432,1.42 22.432,1.57 22.582,1.57 22.582,1.42
  pour cut-out: 23.632,1.42 23.632,1.57 23.782,1.57 23.782,1.42
  pour cut-out: 7.432,2.02 7.432,2.17 7.582,2.17 7.582,2.02
  pour cut-out: 8.562,2.104 8.562,2.254 8.712,2.254 8.712,2.104
  pour cut-out: 5.032,1.42 5.032,1.57 5.182,1.57 5.182,1.42
  pour cut-out: 6.232,1.42 6.232,1.57 6.382,1.57 6.382,1.42
  pour cut-out: 7.432,1.42 7.432,1.57 7.582,1.57 7.582,1.42
  pour cut-out: 1.432,3.82 1.432,3.97 1.582,3.97 1.582,3.82
  pour cut-out: 1.432,3.22 1.432,3.37 1.582,3.37 1.582,3.22
  pour cut-out: 1.432,2.02 1.432,2.17 1.582,2.17 1.582,2.02
bu1b:
  drawing of 955 lines, arcs and shapes, not listed
Bottom Layer:
  drawing of 721 lines, arcs and shapes, not listed

## Silkscreen, mask and mechanical layers (free items; w line width, h text height)
Top Solder:
  region: 24.478,24.479 24.161,24.479 ccw(c24.173,24.413) 24.107,24.424 24.423,24.108 ccw(c24.412,24.173) 24.478,24.162
  region: 0,24.75 25,24.75 25,25 0,25
  region: 24.75,0 24.75,25 25,25 25,0
  region: 0,0 0,25 0.25,25 0.25,0
  region: 0,0 25,0 25,0.25 0,0.25
Bottom Solder:
  region: 24.476,24.477 24.161,24.477 ccw(c24.161,24.462) 24.146,24.462 24.459,24.148 ccw(c24.461,24.163) 24.476,24.162
  region: 0,0 25,0 25,0.25 0,0.25
  region: 24.75,0 24.75,25 25,25 25,0
  region: 0,24.75 25,24.75 25,25 0,25
  region: 0,0 0,25 0.25,25 0.25,0